# Altium PCB K210_GSM.PcbDoc (part 1 of 2)
Units mil, origin at the board's own origin, x right, y up, seen from the top; angles counter-clockwise.
Board outline 1181.1 x 2884.84 mil, 2 copper layers (Top Layer, Bottom Layer); 74 components, 109 nets, 355 pads, 138 vias.
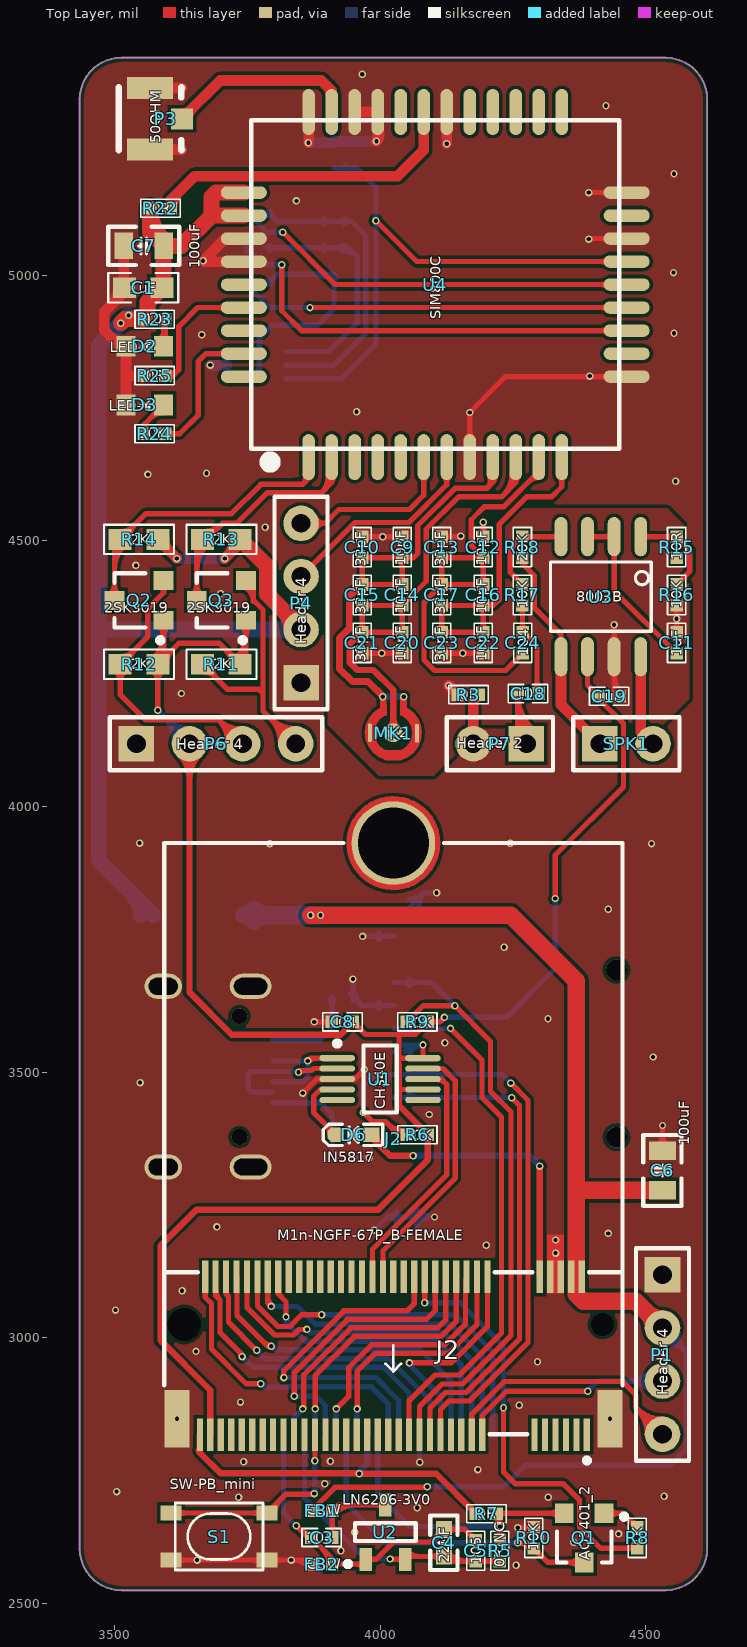
[diagram p0: Top Layer view]
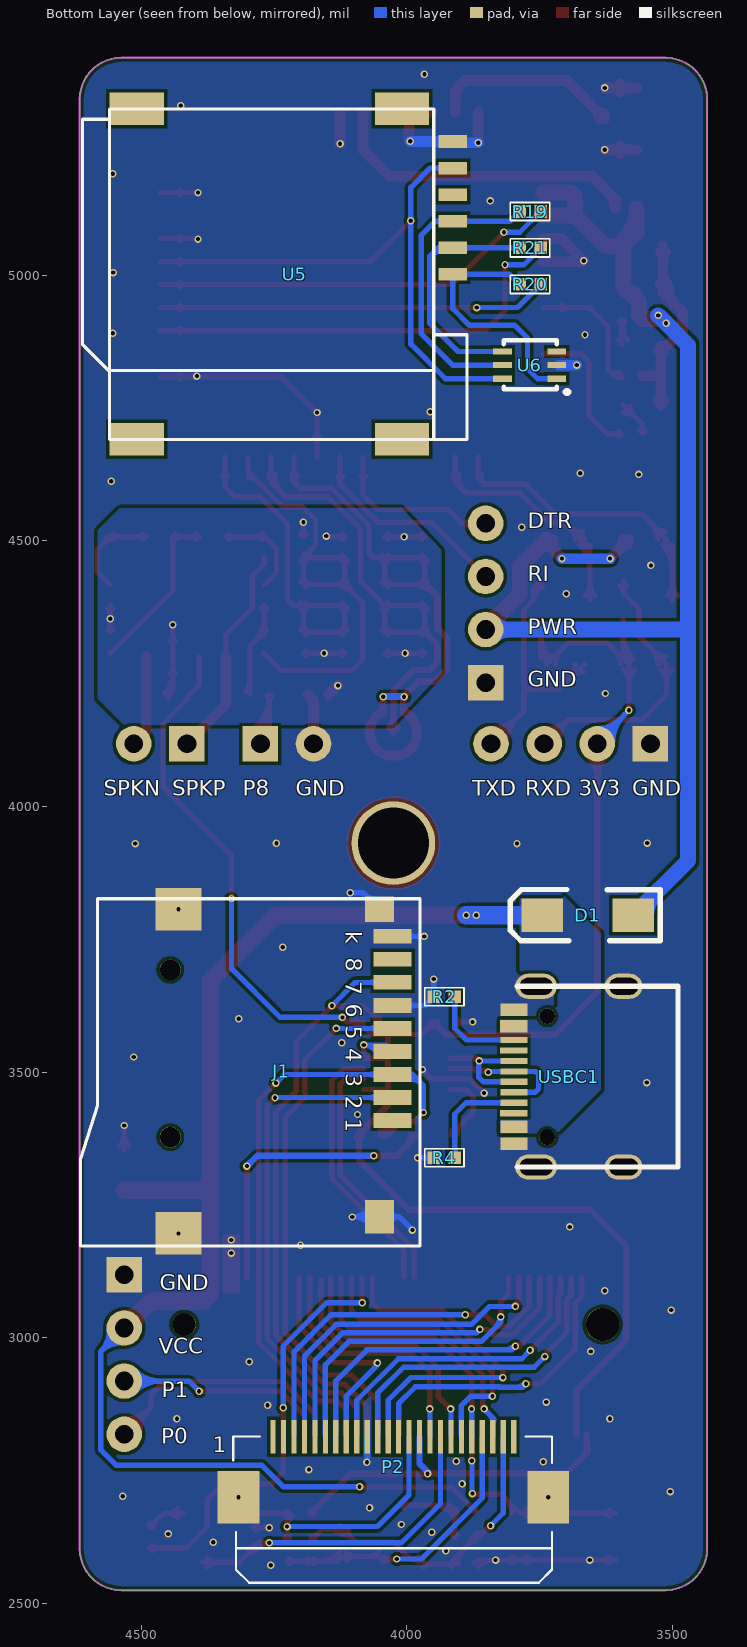
[diagram p1: Bottom Layer view, seen from below]

## Layer stack, top to bottom
Top Layer: signal copper 1.4
Dielectric: dielectric 12.6, FR-4, Dk 4.8
Bottom Layer: signal copper 1.4

## Board outline
3434.45,2603.35 ccw(c3513.19,2603.35) 3513.19,2524.61 4536.81,2524.61 ccw(c4536.81,2603.35) 4615.55,2603.35 4615.55,5330.71 ccw(c4536.81,5330.71) 4536.81,5409.45 3513.19,5409.45 ccw(c3513.19,5330.71) 3434.45,5330.71

## Design rules (kind name [scope] priority, off if disabled: settings)
Clearance [All] p1: gap=6
MinimumSolderMaskSliver [All] p1: minsoldermaskwidth=0
PlaneConnect [All] p1: planeconnectstyle=Direct reliefexpansion=20 reliefentries=4 reliefconductorwidth=10 reliefairgap=10
PolygonConnect [All] p1: connectstyle=Direct reliefconductorwidth=10 reliefentries=4 polygonreliefangle="90 Angle" airgapwidth=10
RoutingVias [All] p1: holewidth=28 width=50 viastyle="Through Hole" minholewidth=28 minwidth=50 maxholewidth=28 maxwidth=50
SilkToSolderMaskClearance [IsPad] p1: minsilkscreentomaskgap=0 clearancetoexposedcopper=TRUE
SolderMaskExpansion [All] p1: expansion=4
Width [All] p1: maxlimit=80 minlimit=10 preferedwidth=10
25 further rules are at their usual default settings.

## Classes and differential pairs
component class K210_Core: C3 C4 C5 C6 C8 D6 FB1 FB2 J1 J2 J3 P1 P2 Q1 R2 R4 R5 R6 R7 R8 R9 R10 S1 U1 U2 USBC1
component class SIM800C: C1 C7 C9 C10 C11 C12 C13 C14 C15 C16 C17 C18 C19 C20 C21 C22 C23 C24 D1 D2 D3 MK1 P3 P4 P6 P7 Q2 Q3 R3 R11 R12 R13 R14 R15 R16 R17 R18 R19 R20 R21 R22 R23 R24 R25 SPK1 U3 U4 U5 U6

## Components (designator, comment, footprint, x,y, rotation, side; value= is the part's Value field where it differs from the comment)
C1 "1uF" C0603-S 3554.2,4976.38 r0 top
C3 "104" 0402C 3890.08,2624.13 r180 top
C4 "22uF" "C 0603_L" 4120.08,2614.13 r90 top
C5 "105" 0402C 4180.08,2599.13 r90 top
C6 "100uF" "C 0805_L" 4531.5,3314.96 r270 top
C7 "100uF" "C 0805_L" 3555.12,5055.12 r0 top
C8 "104" 0402C 3929.13,3594.49 r180 top
C9 "10pF" 0402C 4041.42,4488.07 r90 top
C10 "33pF" 0402C 3966.26,4488.07 r90 top
C11 "1uF" 0402C 4557.91,4308.07 r270 top
C12 "10pF" 0402C 4194.29,4488.07 r90 top
C13 "33pF" 0402C 4116.26,4488.07 r90 top
C14 "10pF" 0402C 4041.42,4398.07 r90 top
C15 "33pF" 0402C 3966.26,4398.07 r90 top
C16 "10pF" 0402C 4194.29,4398.07 r90 top
C17 "33pF" 0402C 4116.26,4398.07 r90 top
C18 "104" 0402C 4278.54,4212.6 r180 top
C19 "1uF" 0402C 4431.1,4207.68 r180 top
C20 "10pF" 0402C 4041.42,4308.07 r90 top
C21 "33pF" 0402C 3966.26,4308.07 r90 top
C22 "10pF" 0402C 4194.29,4308.07 r90 top
C23 "33pF" 0402C 4116.26,4308.07 r90 top
C24 "104" 0402C 4268.7,4308.07 r270 top
D1 "SS34" SMA 3659.06,3795.28 r180 bottom
D2 "LED-G" LED0603 3557.09,4866.14 r180 top
D3 "LED-Y" LED0603 3557.09,4755.65 r180 top
D6 "IN5817" SOD-523 3950,3382.01 r180 top
FB1 "CBW" Inductor_0402 3890.08,2674.13 r0 top
FB2 "CBW" Inductor_0402 3890.08,2574.13 r0 top
J1 "TF_Card" SD_Micro 4445,3535 r270 bottom locked
J2 "M1n-NGFF-67P_B-FEMALE" "M2-67P0R50_B_FEMALE - duplicate" 4025,3025 r180 top locked
MK1 "Mic2" MIC4013贴片咪头 4025,4138.78 r0 top locked
P1 "Header 4" HDR2.54-LI-4P 4531.5,2968.5 r270 top
P2 "CSI_24P" FPC_0.5-24P 4025,2756.89 r180 bottom locked
P3 "50OHM" IPEX 3566.93,5236.22 r90 top
P4 "Header 4" HDR2.54-LI-4P 3851.26,4382.91 r90 top
P6 "Header 4" HDR2.54-LI-4P 3691.26,4118.07 r0 top
P7 "Header 2" HDR2.54-LI-2P 4225.39,4118.07 r180 top
Q1 "AO3401_2" "SOT-23 - P" 4384.13,2623.54 r180 top
Q2 "2SK3019" "SOT-23 - N" 3546.26,4387.76 r90 top
Q3 "2SK3019" "SOT-23 - N" 3701.26,4387.76 r90 top
R2 "5.1K" 0402R 3929.13,3641.73 r180 bottom
R3 "0R" 0402R 4166.34,4210.63 r180 top
R4 "5.1K" 0402R 3929.13,3338.58 r180 bottom
R5 "0R/NC" 0402R 4225.08,2599.13 r90 top
R6 "10K" 0402R 4070,3382.01 r0 top
R7 "0R" 0402R 4200.08,2669.13 r0 top
R8 "1K" 0402R 4484.13,2623.54 r270 top
R9 "10K" 0402R 4070,3594.49 r180 top
R10 "10K" 0402R 4289.13,2623.54 r90 top
R11 "2K" R0603-S 3701.26,4267.76 r0 top
R12 "2K" R0603-S 3546.26,4267.76 r0 top
R13 "2K" R0603-S 3701.26,4502.76 r0 top
R14 "2K" R0603-S 3546.26,4502.76 r0 top
R15 "10R" 0402R 4557.91,4488.07 r270 top
R16 "10K" 0402R 4557.91,4398.07 r90 top
R17 "10K" 0402R 4267.91,4398.07 r270 top
R18 "20K" 0402R 4267.91,4488.07 r270 top
R19 "22R" 0402R 3767.72,5119.82 r180 bottom
R20 "22R" 0402R 3767.72,4982.54 r180 bottom
R21 "22R" 0402R 3767.72,5051.18 r180 bottom
R22 "0R" 0402R 3586.61,5125.98 r180 top
R23 "10K" 0402R 3575.74,4917.32 r0 top
R24 "10K" 0402R 3575.74,4701.54 r180 top
R25 "0R" 0402R 3575.74,4811.02 r180 top
S1 "SW-PB_mini" SW_SMD_3X4 3696.85,2625.98 r0 top
SPK1 "" HDR2.54-LI-2P 4463.58,4118.07 r0 top
U1 "CH340E" MSOP-UN10_N 4000,3487.01 r0 top
U2 "LN6206-3V0" SOT-23-3L 4010.08,2634.13 r270 top
U3 "8002B" SPARK8002 4415.41,4394.9 r180 top
U4 "SIM800C" sim800c 4103.74,4982.28 r90 top locked
U5 "SIM" SIM_MICRO_PUSH 4210.63,5001.97 r270 bottom locked
U6 "SMF05C" SOT-363 3717.52,4805.12 r0 bottom
USBC1 "TYPE-C 3.1 母头 16P" TYPE-C-USB-4 3695,3491.54 r90 bottom locked

## Footprints (in the part's own frame and the unit in brackets; to place one, negate y for a bottom-side part, rotate by r counter-clockwise, add the part's x,y. Pads: shape width x height; smd on the part's side, far side on the other; paste and mask are expansions set on the pad)
0402C [mm]
  rect 0.6x0.6 smd: 1(-0.5,0) 2(0.5,0)
  silkscreen extent -0.94,-0.43 0.94,0.43, body extent -0.5,-0.25 0.5,0.25, height 0.5
0402R [mm]
  rect 0.6x0.6 smd: 1(-0.5,0) 2(0.5,0)
  silkscreen extent -0.94,-0.43 0.94,0.43, body extent -0.5,-0.25 0.5,0.25, height 0.38
C0603-S [mm]
  rect 1.1x1 smd: 1(-0.9,0) 2(0.9,0)
  silkscreen extent -1.67,-0.7 1.68,0.7, body extent -0.8,-0.4 0.8,0.4, height 0.9
"C 0603_L" [mil] "无极性贴片电容"
  rect 30x30 smd: 1(-25.59,0) 2(25.59,0)
  silkscreen extent -51,-26 51,26, body extent -31,-16 31,16, height 32
"C 0805_L" [mil]
  rect 35x50 smd: 1(-37.4,0) 2(37.4,0)
  silkscreen extent -67,-36 67,36, body extent -39,-24 39,24, height 20
FPC_0.5-24P [mm]
  rect 0.25x1.6 smd: 1(-5.75,1.45) 2(-5.25,1.45) 3(-4.75,1.45) 4(-4.25,1.45) 5(-3.75,1.45) 6(-3.25,1.45) 7(-2.75,1.45) 8(-2.25,1.45) 9(-1.75,1.45) 10(-1.25,1.45) 11(-0.75,1.45) 12(-0.25,1.45) 13(0.25,1.45) 14(0.75,1.45) 15(1.25,1.45) 16(1.75,1.45) 17(2.25,1.45) 18(2.75,1.45) 19(3.25,1.45) 20(3.75,1.45) 21(4.25,1.45) 22(4.75,1.45) 23(5.25,1.45) 24(5.75,1.45)
  rect 2x2.5 smd: A(-7.4,-1.45) B(7.4,-1.45)
  silkscreen extent -7.65,-5.54 7.59,1.45, body extent -8.1,-4.2 8.1,1.8, height 2
HDR2.54-LI-2P [mm]
  rect 1.7x1.7 hole 0.9: 1(-1.27,0)
  round 1.7 hole 0.9: 2(1.27,0)
  silkscreen extent -2.54,-1.27 2.54,1.27, body extent -2.54,-1.27 2.54,1.27, height 8.5
HDR2.54-LI-4P [mm] "排针，4脚"
  rect 1.7x1.7 hole 0.9: 1(-3.81,0)
  round 1.7 hole 0.9: 2(-1.27,0) 3(1.27,0) 4(3.81,0)
  silkscreen extent -5.08,-1.27 5.08,1.27, body extent -5.08,-1.27 5.08,1.27, height 8.5
Inductor_0402 [mm]
  rect 0.6x0.6 smd mask+0.051: 1(-0.5,0) 2(0.5,0)
  body extent -0.5,-0.25 0.5,0.25, height 0.38
IPEX [mm]
  rect 1.05x2.2 smd: 1(0,0) 3(2.95,0)
  rect 1x1.05 smd: 2(1.475,-1.525)
  silkscreen extent -0.02,-1.5 2.98,1.5, body extent 0.02,-1.55 3.02,1.55, height 1.25
LED0603 [mm]
  rect 0.9x1 smd: 1(-0.9,0) 2(0.9,0)
  silkscreen extent -0.25,-0.25 0.25,0.25, body extent -0.81,-0.41 0.81,0.39, height 0.6
"M2-67P0R50_B_FEMALE - duplicate" [mm] "M2-67P0R50_B"
  round 4 hole 3.4 mask+0.051: 0(0,-23.012)
  rect 0.3x1.55 smd: 1(-9.25,5.275) 2(-9,-2.275) 3(-8.75,5.275) 4(-8.5,-2.275) 5(-8.25,5.275) 6(-8,-2.275) 7(-7.75,5.275) 8(-7.5,-2.275) 9(-7.25,5.275) 10(-7,-2.275) 11(-6.75,5.275) 20(-4.5,-2.275) 21(-4.25,5.275) 22(-4,-2.275) 23(-3.75,5.275) 24(-3.5,-2.275) 25(-3.25,5.275) 26(-3,-2.275) 27(-2.75,5.275) 28(-2.5,-2.275) 29(-2.25,5.275) 30(-2,-2.275) 31(-1.75,5.275) 32(-1.5,-2.275) 33(-1.25,5.275) 34(-1,-2.275) 35(-0.75,5.275) 36(-0.5,-2.275) 37(-0.25,5.275) 38(0,-2.275) 39(0.25,5.275) 40(0.5,-2.275) 41(0.75,5.275) 42(1,-2.275) 43(1.25,5.275) 44(1.5,-2.275) 45(1.75,5.275) 46(2,-2.275) 47(2.25,5.275) 48(2.5,-2.275) 49(2.75,5.275) 50(3,-2.275) 51(3.25,5.275) 52(3.5,-2.275) 53(3.75,5.275) 54(4,-2.275) 55(4.25,5.275) 56(4.5,-2.275) 57(4.75,5.275) 58(5,-2.275) 59(5.25,5.275) 60(5.5,-2.275) 61(5.75,5.275) 62(6,-2.275) 63(6.25,5.275) 64(6.5,-2.275) 65(6.75,5.275) 66(7,-2.275) 67(7.25,5.275) 68(7.5,-2.275) 69(7.75,5.275) 70(8,-2.275) 71(8.25,5.275) 72(8.5,-2.275) 73(8.75,5.275) 74(9,-2.275) 75(9.25,5.275)
  rect 1.2x2.75 smd: SH1(-10.35,4.5) SH2(10.35,4.5)
  round 0 / inner round 1.524 / far side round 1.1 hole 1.1: ""(-10,0)
  round 0 / inner round 1.524 / far side round 1.6 hole 1.6: ""(10,0)
  Top Layer circle w0.5: c0,-23.012 r2
  Mechanical 7 keep-out lines w0.025: 10.991,-2.012 10.417,-2.012 cw(c10.417,-1.512) 9.916,-1.512 9.916,1.978 -5.014,1.978 -5.014,-0.915 cw(c-5.616,-0.915) -5.616,-1.517 cw(c-5.616,-0.918) -6.215,-0.918 -6.215,1.978 -9.916,1.978 -9.916,-1.512 cw(c-10.417,-1.512) -10.417,-2.012 -10.991,-2.012 -10.991,-23.012 -1.5,-23.012 cw(c0,-23.012) 1.5,-23.012 10.991,-23.012 10.991,-2.012
  silkscreen extent -10.95,-23.01 10.95,6.62, body extent -10.95,-23.14 11.03,5.85, height 5.5
MIC4013贴片咪头 [mm] "贴片咪头4*1.3MM"
  oval 0.2x0.9 smd: 1(-1.125,0) 1(1.125,-0.025)
  round 0.9 smd: 2(0,0)
  Top Layer region: -0.322,0.841 -0.322,0.841 -0.454,0.786 -0.642,0.642 -0.786,0.454 -0.877,0.235 -0.908,0 -0.877,-0.235 -0.786,-0.454 -0.642,-0.642 -0.454,-0.786 -0.322,-0.841 -0.322,-1.311 -0.323,-1.319 -0.352,-1.315 -0.681,-1.179 -0.963,-0.963 -1.179,-0.681 -1.315,-0.352 -1.362,0 -1.315,0.352 -1.179,0.681 -0.963,0.963 -0.681,1.179 -0.352,1.315 -0.323,1.319
  Top Layer region: 0.352,1.315 0.681,1.179 0.963,0.963 1.179,0.681 1.315,0.352 1.362,0 1.315,-0.352 1.179,-0.681 0.963,-0.963 0.681,-1.179 0.352,-1.315 0.323,-1.319 0.322,-0.841 0.322,-0.841 0.454,-0.786 0.642,-0.642 0.786,-0.454 0.877,-0.235 0.908,0 0.877,0.235 0.786,0.454 0.642,0.642 0.454,0.786 0.322,0.841 0.322,1.311 0.323,1.319
  body extent -1.98,-2 2,2, height 1.5
MSOP-UN10_N [mm] "TSSOP"
  oval 1.7x0.3 smd: 1(-2.05,1) 2(-2.05,0.5) 3(-2.05,0) 4(-2.05,-0.5) 5(-2.05,-1) 6(2.05,-1) 7(2.05,-0.5) 8(2.05,0) 9(2.05,0.5) 10(2.05,1)
  silkscreen extent -2.17,-1.6 0.8,1.82, body extent -1.6,-1.6 1.6,1.6, height 1.1
R0603-S [mm]
  rect 1.1x1 smd: 1(-0.9,0) 2(0.9,0)
  silkscreen extent -1.68,-0.7 1.68,0.7, body extent -0.75,-0.41 0.75,0.39, height 0.63
SD_Micro [mm]
  round 1 hole 1 unplated: 0(-4,0) 0(4,0)
  rect 0.7x1.8 smd: 1(3.2,10.627) 2(2.1,10.627) 3(1,10.627) 4(-0.1,10.627) 5(-1.2,10.627) 6(-2.3,10.627) 7(-3.4,10.627) 8(-4.5,10.627) 9(-5.6,10.627)
  rect 2.032x2.2 smd: 10(-6.9,0.4) 10(8.6,0.4)
  rect 1.2x1.4 smd: 10(-6.9,10)
  rect 1.6x1.4 smd: 10(7.8,10)
  silkscreen extent -7.4,-4.28 9.2,11.94, body extent -7.05,-4 8.95,11.25, height 2
sim800c [mm]
  oval 2.2x0.6 smd: 1(-8.25,6.05) 2(-8.25,4.95) 3(-8.25,3.85) 4(-8.25,2.75) 5(-8.25,1.65) 6(-8.25,0.55) 7(-8.25,-0.55) 8(-8.25,-1.65) 9(-8.25,-2.75) 10(-8.25,-3.85) 11(-8.25,-4.95) 12(-8.25,-6.05) 22(8.25,-6.05) 23(8.25,-4.95) 24(8.25,-3.85) 25(8.25,-2.75) 26(8.25,-1.65) 27(8.25,-0.55) 28(8.25,0.55) 29(8.25,1.65) 30(8.25,2.75) 31(8.25,3.85) 32(8.25,4.95) 33(8.25,6.05)
  oval 0.6x2.2 smd: 13(-4.4,-9.15) 14(-3.3,-9.15) 15(-2.2,-9.15) 16(-1.1,-9.15) 17(0,-9.15) 18(1.1,-9.15) 19(2.2,-9.15) 20(3.3,-9.15) 21(4.4,-9.15) 34(4.4,9.15) 35(3.3,9.15) 36(2.2,9.15) 37(1.1,9.15) 38(0,9.15) 39(-1.1,9.15) 40(-2.2,9.15) 41(-3.3,9.15) 42(-4.4,9.15)
  silkscreen extent -8.74,-8.8 7.85,8.8
SIM_MICRO_PUSH [mm]
  rect 1.55x2.6 smd: 0(-7.9,-7.552) 0(-7.9,5.128) 0(7.9,-7.552) 0(7.9,5.128)
  rect 0.6x1.35 smd: 1(-1.26,7.552) 2(-3.8,7.552) 3(-6.34,7.552) 4(0.01,7.552) 5(-2.53,7.552) 6(-5.07,7.552)
  silkscreen extent -7.9,-10.14 7.9,8.23
SMA [mm]
  rect 2x1.6 smd: 1(2.175,0) 2(-2.175,0)
  silkscreen extent -3.71,-1.22 3.46,1.23, body extent -2.72,-1.4 2.77,1.4, height 2.44
SOD-523 [mm] "1.2x0.8X0.6mm（长宽高，不包括引脚）"
  rect 0.8x0.7 smd: 1(-0.85,0)
  oct 0.8x0.7 smd: 2(0.85,0)
  silkscreen extent -1.4,-0.51 1.45,0.51, body extent -0.8,-0.4 0.8,0.4, height 0.65
"SOT-23 - N" [mm]
  rect 0.9x0.95 smd: D(0,1.175) G(-0.95,-1.175) S(0.95,-1.175)
  silkscreen extent -2.03,-1.14 1.3,1.18, body extent -1.5,-1.2 1.5,1.2, height 1.05
"SOT-23 - P" [mm]
  rect 0.9x0.95 smd: D(0,1.175) G(-0.95,-1.175) S(0.95,-1.175)
  silkscreen extent -2.03,-1.14 1.3,1.18, body extent -1.5,-1.2 1.5,1.2, height 1.05
SOT-23-3L [mm]
  rect 1.1x0.6 smd: 1(1.3,-0.95) 2(1.3,0.95) 3(-1.3,0)
  silkscreen extent -0.43,-1.92 1.64,1.45, body extent -1.5,-1.5 1.5,1.5, height 1
SOT-363 [mm] "SOT-363"
  rect 0.9x0.3 smd: 1(0,0) 2(0,-0.65) 3(0,-1.3) 4(2.6,-1.3) 5(2.6,-0.65) 6(2.6,0)
  silkscreen extent -0.51,-1.84 2.54,0.64
SPARK8002 [mil]
  oval 24x74 smd: 1(-75,-113) 2(-25,-113) 3(25,-113) 4(75,-113) 5(75,113) 6(25,113) 7(-25,113) 8(-75,113)
  silkscreen extent -95,-65 95,65, body extent -95,-118 95,118, height 67
SW_SMD_3X4 [mm] "微动开关"
  rect 1x0.7 smd: 1(-2.3,1.125) 1(2.3,1.125) 2(-2.3,-1.125) 2(2.3,-1.125)
  silkscreen extent -2.1,-1.6 2.1,1.6, body extent -2.1,-1.6 2.1,1.6, height 2.55
TYPE-C-USB-4 [mm]
  oval 1.2x1.8 hole 0.8 slot 1.4 at 90 deg: 0(-4.32,-2.624) 0(4.32,-2.624)
  oval 1.2x2 hole 0.8 slot 1.6 at 90 deg: 0(-4.32,1.556) 0(4.32,1.556)
  rect 0.3x1.3 smd: A1(-3.35,2.623) A4(-2.55,2.623) A5(-1.25,2.623) A6(-0.25,2.623) A7(0.25,2.623) A8(-1.75,2.624) A9(2.55,2.623) A12(3.35,2.623) B1(3.05,2.623) B4(2.25,2.623) B5(1.75,2.623) B6(0.75,2.623) B7(-0.75,2.623) B8(1.25,2.624) B9(-2.25,2.623) B12(-3.05,2.623)
  round 0.75 hole 0.75 unplated: ""(-2.89,1.026) ""(2.89,1.026)
  silkscreen extent -4.32,-5.23 4.32,2.47, body extent -4.47,-5.14 4.47,2.76, height 3.25

## Part data
C1 C3 C4 C5 C6 C7 C8: library part CAP_4, "Capacitor"
C9 C10 C11 C12 C13 C14 C15 C16 C17 C19 C20 C21 C22 C23: library part "0603 1uF (105) 10% 50V", "贴片电容"
C18 C24: library part "0603 100nF (104) 10% 50V", "贴片电容"
D1 D6: library part Diode_1, "通用二极管"
D2 D3: library part LED-SMD, "贴片LED"
FB1 FB2: library part CBW100505U601T, "大电流磁珠0402 600R 200MA 25%原装"
J1: "TF卡座"
MK1: "Microphone"
P1 P4 P6 P7: "接插件"
P2: library part FPC-DVP-24P_0, "DVP Carmera"
P3: library part IPEX, "RF Coaxial PCB Connector, MCX; Thru-Hole, Right-Angle Mount Socket, Blunt Post Terminal, 50 Ohm Impedance"
Q1: "P沟场效应管"
Q2 Q3: library part MOSFET-N, "N-Channel MOSFET"
R2 R4 R5 R6 R7 R8 R9 R10: library part RES_1, "Resistor"
R3 R22 R23 R24 R25: library part "0603 1KΩ (1001) 1%", "贴片电阻"
R11 R12 R13 R14: library part RES, "贴片电阻 1%"
R15 R17: library part "0603 7.5KΩ (7501) 1%", "贴片电阻"
R16: library part "0603 10KΩ (1002) 1%", "贴片电阻"
R18: library part "0603 33KΩ (3302) 1%", "贴片电阻"
R19 R20 R21: library part Res, "厚声0603WAF1002T5E"
S1: "微动开关"
SPK1: library part SPEAKER
U1: "USB to TTL Serial / UART"
U2: library part LN6206, "低功耗CMOS稳压器"
U3: library part 80028
U4: "SICOM SIM800C"
U5: "博信微电子元件专营 小卡6P MICRO SIM 6P自弹 手机SIM卡座 卡座 自弹 PUSH SIM小卡"
U6: "TVS"
USBC1: library part "TYPE-C 3.1 ĸͷ 16P"

## Via types
v1: diameter 14, hole 8, Top Layer to Bottom Layer, 138 vias

## Nets (pads, with @x,y where several pads share a name; then routed paths per layer and width w, separated by ;. In a path a pad name is that pad's centre, name@x,y a point inside that pad or via, vN(x,y) a via of type N, cw(c..) or ccw(c..) an arc to the next point about the centre after c; other vN are vias at no path point)
1V8: J2.75 P2.15 R7.1 | length 718.4
  Top Layer w12: J2.75@3660.76,2792.78 ccw(c3665.44,2788.24) 3660.83,2783.62 ; J2.75@3660.83,2817.32 3660.83,2783.62 ; R7.1@4174.58,2669.13 ccw(c4160.55,2669.13) 4170.47,2679.05 ccw(c4180.39,2688.97) R7.1@4180.39,2674.95 ; R7.1@4180.39,2669.13 4105.43,2744.09 v1(3960.63,2744.09) 3959.94,2744.78 3699.67,2744.78 3660.83,2783.62
  Bottom Layer w12: v1(3960.63,2744.09) 3960.63,2748.03 3975.79,2763.19 P2.15@3975.79,2813.98 ; v1@3961.63,2744.09 cw(c3973.55,2744.09) 3965.12,2752.52
3V3: C8.1 C19.2 J1.4 J2.73 P6.2 Q2.G Q3.G R6.2 R9.1 R11.2 R12.2 U1.7 U1.10 U3.6 | length 4820.1
  Top Layer w10: R12.2@3571.31,4257.37 cw(c3546.24,4232.3) 3581.69,4232.3 cw(c3617.15,4232.3) R12.2@3592.08,4257.37 ; R12.2@3573.28,4278.14 ccw(c3526.82,4324.6) 3592.52,4324.6 ; R12.2@3580.35,4271.07 ccw(c3550.97,4300.45) 3592.52,4300.45 ; v1(3581.69,4181.1) R12.2@3581.69,4267.76 R12.2@3592.52,4278.58 ; Q2.G@3583.53,4341.36 cw(c3561.82,4319.66) 3592.52,4319.66 cw(c3623.22,4319.66) Q2.G@3601.51,4341.36 ; R12.2@3583.66,4282.44 ccw(c3583.66,4313.14) 3605.37,4291.43 ; Q2.G@3592.52,4350.36 R12.2@3592.52,4278.58 ; R12.2@3598.35,4267.76 cw(c3638.55,4267.76) 3610.12,4296.19 ; 3708.26,4296.19 cw(c3679.83,4267.76) R11.2@3720.04,4267.76 ; 3713.02,4291.43 ccw(c3734.72,4313.14) R11.2@3734.72,4282.44 ; R11.2@3728.28,4278.14 ccw(c3681.82,4324.59) 3747.52,4324.59 ; R11.2@3735.35,4271.07 ccw(c3705.97,4300.45) 3747.52,4300.45 ; R11.2@3736.69,4267.76 3697.36,4307.09 3621.02,4307.09 R12.2@3592.52,4278.58 ; Q3.G@3738.53,4341.36 cw(c3716.82,4319.65) 3747.52,4319.65 cw(c3778.22,4319.65) Q3.G@3756.51,4341.36 ; R11.2@3747.52,4278.58 Q3.G@3747.52,4350.35 ; C8.1@3948.82,3587.68 cw(c3948.82,3571.23) 3960.45,3582.86 cw(c3972.07,3594.49) C8.1@3955.63,3594.49 ; C8.1@3948.82,3594.49 3972.44,3570.87 4035.43,3570.87 ; 4036.61,3526.38 U1.10@4080.71,3526.38 v1(4080.71,3551.18) ; U1.7@4080.71,3467.32 4035.43,3467.32 4035.43,3514.49 4035.43,3570.87 ; R9.1@4082.87,3594.49 cw(c4066.43,3594.49) 4078.06,3582.86 cw(c4089.68,3571.23) R9.1@4089.68,3587.68 ; R9.1@4094.5,3589.67 cw(c4106.13,3578.04) 4106.13,3594.49 cw(c4106.13,3610.93) R9.1@4094.5,3599.3 ; v1(4121,3603.02) 4112.47,3594.49 R9.1@4089.68,3594.49 4066.06,3570.87 4035.43,3570.87 ; v1(4329.72,3826.77) 4329.72,3908.71 4458.05,4037.03 4458.05,4156.09 4411.42,4202.72 C19.2@4411.42,4207.68 4390.41,4228.68 U3.6@4390.41,4281.9
  Top Layer w12: P6.2@3621.84,4098.65 cw(c3574.95,4051.77) 3641.26,4051.77 cw(c3707.57,4051.77) P6.2@3660.68,4098.65 ; P6.2@3630.32,4107.14 cw(c3603.93,4080.74) 3641.26,4080.74 cw(c3678.59,4080.74) P6.2@3652.19,4107.14 ; P6.2@3641.26,4118.07 3641.26,3650.08 3720.66,3570.68 3926.23,3570.68 3948.82,3593.26 C8.1@3948.82,3594.49 ; J2.73@3680.51,2817.32 3680.51,2901.18 3586.61,2995.08 3586.61,3173.23 3654.53,3241.14 3996.06,3241.14 4089.69,3334.76 R6.2@4089.69,3382.01 4089.69,3383.23 4035.24,3437.67 4035.24,3514.3 4035.43,3514.49 ; 3938.03,3582.48 ccw(c3926.03,3594.49) C8.1@3943.01,3594.49 ; C8.1@3940.99,3585.43 cw(c3948.82,3577.6) C8.1@3948.82,3588.68 ; 4078.9,3394.01 cw(c4066.89,3382.01) R6.2@4083.87,3382.01 ; R6.2@4081.85,3391.06 ccw(c4089.69,3398.9) R6.2@4089.69,3387.82 ; R6.2@4085.58,3377.9 cw(c4075.66,3367.98) 4089.69,3367.98 cw(c4103.71,3367.98) R6.2@4093.79,3377.9
  Bottom Layer w10: v1(3581.69,4181.1) 3621.02,4141.77 P6.2@3621.02,4138.31 ; 3590.22,4172.58 cw(c3535.71,4118.07) P6.2@3612.8,4118.07 ; 3598.58,4164.21 ccw(c3641.26,4206.89) P6.2@3641.26,4146.54 ; 3607.29,4155.51 cw(c3569.85,4118.07) P6.2@3622.8,4118.07 ; 3615.65,4147.14 ccw(c3641.26,4172.75) P6.2@3641.26,4136.54 ; J1.4@4026.61,3538.94 4038.86,3551.18 v1(4080.71,3551.18) ccw(c4080.71,3524.42) J1.4@4056.28,3535.35 ; J1.4@4047.15,3539.44 cw(c4065.28,3531.33) 4065.28,3551.18 ; v1(4121,3603.02) 4237.86,3603.02 4329.72,3694.88 v1(4329.72,3826.77)
AGND: C3.2 C4.2 C5.2 FB2.2 P2.23 U2.1 | length 870.6
  Top Layer w10: v1(3842.03,2646.16) 3864.06,2624.13 C3.2@3870.39,2624.13 3909.76,2584.76 FB2.2@3909.76,2574.13 U2.1@3963.86,2574.13 ; v1@3843.96,2646.68 ccw(c3855.77,2649.84) 3849.66,2639.25 ; v1@3843.98,2646.57 ccw(c3854.31,2648.75) 3849.03,2639.61 ; 3847.95,2640.24 ccw(c3870.39,2662.68) C3.2@3870.39,2630.94 ; C3.2@3870.39,2617.32 cw(c3870.39,2600.88) 3882.02,2612.51 cw(c3893.64,2624.13) C3.2@3877.2,2624.13 ; 3890.62,2603.9 cw(c3860.85,2574.13) FB2.2@3902.95,2574.13 ; 3907.69,2586.83 cw(c3894.99,2574.13) FB2.2@3912.95,2574.13 ; FB2.2@3914.58,2569.32 cw(c3926.2,2557.69) 3926.2,2574.13 cw(c3926.2,2590.58) FB2.2@3914.58,2578.95 ; 3953.76,2574.13 cw(c3953.76,2554.19) U2.1@3967.86,2568.29 ; 3958.7,2574.13 ccw(c3958.7,2587.08) U2.1@3967.86,2577.93 ; U2.1@3972.67,2582.95 3992.54,2582.95 4025.19,2615.61 4095.96,2615.61 C4.2@4120.08,2639.72 4159.17,2639.72 C5.2@4180.07,2618.82 ; U2.1@3977.49,2578.14 cw(c3989.12,2566.51) 3989.12,2582.95 cw(c3989.12,2599.4) U2.1@3977.49,2587.77 ; C4.2@4110.08,2639.72 cw(c4085.94,2639.72) 4103.01,2622.65 cw(c4120.08,2605.58) C4.2@4120.08,2629.72 ; C4.2@4127.15,2632.65 cw(c4144.22,2615.58) 4144.22,2639.72 cw(c4144.22,2663.86) C4.2@4127.15,2646.79 ; C5.2@4173.26,2618.82 ccw(c4156.82,2618.82) 4168.45,2630.45 ccw(c4180.07,2642.07) C5.2@4180.07,2625.63
  Bottom Layer w10: P2.23@3818.31,2813.98 3818.31,2669.88 v1(3842.03,2646.16)
AIN1: J2.63
AIN2: J2.65
BEEP: J2.47
BIN1: J2.69
BIN2: J2.67
BOOT: J2.53 S1.1 | length 499.2
  Top Layer w10: S1.1@3606.3,2670.28 S1.1@3787.4,2670.28 3822.83,2705.71 3875.06,2705.71 v1(3876.17,2706.82) ; S1.1@3618.41,2664.07 cw(c3633.4,2649.08) 3633.4,2670.28 cw(c3633.4,2691.47) S1.1@3618.41,2676.48 ; S1.1@3775.29,2664.07 ccw(c3760.3,2649.08) 3760.3,2670.28 ccw(c3760.3,2691.47) S1.1@3775.29,2676.48 ; S1.1@3802.09,2670.28 cw(c3837.54,2670.28) 3812.47,2695.34 ; 3868.65,2705.71 ccw(c3868.65,2714.35) v1@3874.76,2708.24 ; v1@3877.36,2766.15 v1(3877.36,2768.7) J2.53@3877.36,2817.32
  Bottom Layer w10: v1(3876.17,2706.82) 3876.97,2707.62 v1@3876.97,2768.31
CC1: R4.2 USBC1.A5 | length 228.4
  Bottom Layer w10: USBC1.A5@3798.27,3442.33 3888.38,3442.33 3909.45,3421.26 R4.2@3909.45,3338.58 ; R4.2@3904.63,3343.4 ccw(c3893.01,3355.03) 3909.45,3355.03 ccw(c3925.89,3355.03) R4.2@3914.26,3343.4
CC2: R2.2 USBC1.B5 | length 205.3
  Bottom Layer w10: USBC1.B5@3798.27,3560.44 3887.21,3560.44 3909.45,3582.68 R2.2@3909.45,3641.73 ; R2.2@3904.63,3636.92 cw(c3893.01,3625.29) 3909.45,3625.29 cw(c3925.89,3625.29) R2.2@3914.26,3636.92
CMOS-3V0: C4.1 C5.1 P2.21 R5.1 U2.2 | length 769.1
  Top Layer w10: v1@4019.41,2582.95 U2.2@4047.48,2582.95 4053.07,2588.54 C4.1@4120.08,2588.54 ; U2.2@4042.66,2578.14 ccw(c4031.03,2566.51) 4031.03,2582.95 ccw(c4031.03,2599.4) U2.2@4042.66,2587.77 ; U2.2@4052.29,2597.61 ccw(c4074.19,2619.51) 4074.19,2588.54 ; C4.1@4113.01,2581.47 ccw(c4095.94,2564.4) 4095.94,2588.54 ccw(c4095.94,2612.68) C4.1@4113.01,2595.61 ; C4.1@4127.15,2595.61 ccw(c4166.17,2634.63) 4166.17,2579.45 ; 4142.03,2579.45 cw(c4142.03,2610.49) C4.1@4120.08,2588.54 ; C5.1@4175.26,2574.63 ccw(c4163.63,2563.01) 4163.63,2579.45 ccw(c4163.63,2595.89) C5.1@4175.26,2584.27 ; C5.1@4184.89,2574.63 cw(c4196.52,2563.01) 4196.52,2579.45 cw(c4196.52,2595.89) C5.1@4184.89,2584.27 ; R5.1@4220.26,2574.63 ccw(c4208.63,2563.01) 4208.63,2579.45 ccw(c4208.63,2595.89) R5.1@4220.26,2584.27 ; R5.1@4225.08,2579.45 C5.1@4180.07,2579.45 4129.17,2579.45 C4.1@4120.08,2588.54
  Bottom Layer w10: P2.21@3857.68,2813.98 3857.68,2698.43 3972.44,2583.66 v1(4018.7,2583.66)
DM-: U1.2 USBC1.A7 USBC1.B7 | length 268.9
  Top Layer w10: v1(3846.46,3500) 3849.52,3503.07 3871.04,3503.07 3874.67,3506.69 U1.2@3919.29,3506.69 ; v1@3847.87,3498.59 cw(c3858.69,3487.77) 3858.69,3503.07
  Bottom Layer w10: USBC1.B7@3798.27,3462.01 3758.47,3462.01 3751.97,3468.5 3751.97,3496.06 3757.28,3501.38 USBC1.A7@3798.27,3501.38 3845.08,3501.38 v1(3846.46,3500) ; 3838.31,3501.38 cw(c3838.31,3491.85) v1@3845.04,3498.59
DOVDD: P2.14 Q1.S R5.2 R7.2 | length 665.3
  Top Layer w10: R7.2@4215.54,2663.79 cw(c4200.01,2644.12) v1@4225.08,2644.12 ; R7.2@4219.76,2669.13 4225.08,2663.82 v1(4225.08,2644.68) R5.2@4225.08,2618.82 ; R5.2@4220.26,2623.64 ccw(c4208.63,2635.26) 4225.08,2635.26 ccw(c4241.52,2635.26) R5.2@4229.89,2623.64 ; R7.2@4220.43,2669.8 Q1.S@4346.73,2669.8 ; R7.2@4224.58,2664.32 cw(c4237.82,2651.08) 4237.82,2669.8 ; R7.2@4224.58,2673.95 ccw(c4234.59,2683.96) 4234.59,2669.8 ; Q1.S@4337.74,2660.81 ccw(c4316.03,2639.1) 4316.03,2669.8 ccw(c4316.03,2700.5) Q1.S@4337.74,2678.8
  Bottom Layer w10: P2.14@3995.47,2813.98 3995.47,2704.33 4055.12,2644.68 v1(4225.08,2644.68)
DP+: U1.1 USBC1.A6 USBC1.B6 | length 242
  Top Layer w10: v1(3863.59,3521.07) 3868.9,3526.38 U1.1@3919.29,3526.38 ; v1@3865,3519.65 cw(c3881.24,3503.41) 3881.24,3526.38
  Bottom Layer w10: USBC1.A6@3798.27,3481.7 3855.71,3481.7 3864.46,3490.44 3864.46,3520.19 v1(3863.59,3521.07) USBC1.B6@3798.27,3521.07
DVP_D0: J2.60 P2.6 | length 608.3
  Top Layer w10: J2.60@3808.47,3114.57 3808.47,3082.28 3822.83,3067.91 v1(3822.83,3039.37)
  Bottom Layer w10: v1(3822.83,3039.37) 3822.83,3029.66 3859.19,2993.31 4108.77,2993.31 4152.95,2949.13 P2.6@4152.95,2817.32 ; v1@3824.83,3039.37 ccw(c3853.1,3039.37) 3833.11,3019.38
DVP_D1: J2.62 P2.4 | length 663.3
  Top Layer w10: 3788.78,3079.57 ccw(c3815.79,3079.57) v1@3796.69,3060.47 ; J2.62@3788.78,3114.57 3788.78,3065.55 v1(3795.28,3059.06)
  Bottom Layer w10: v1(3795.28,3059.06) 3844.35,3059.06 3878.1,3025.31 4132.45,3025.31 4192.32,2965.43 P2.4@4192.32,2817.32
DVP_D2: J2.64 P2.3 | length 707.8
  Top Layer w10: J2.64@3769.09,3114.57 3769.09,3059.78 3807.5,3021.37 3830.29,3021.37 3852.23,3043.31 v1(3889.76,3043.31)
  Bottom Layer w10: v1(3889.76,3043.31) 4142.29,3043.31 4212.01,2973.59 P2.3@4212.01,2817.32
DVP_D3: J2.66 P2.5 | length 670.7
  Top Layer w10: J2.66@3749.41,3114.57 3749.41,3056.84 3800.88,3005.37 3836.92,3005.37 3847.3,3015.75 v1(3862.2,3015.75)
  Bottom Layer w10: v1(3862.2,3015.75) 3868.65,3009.31 4120.61,3009.31 4172.64,2957.28 P2.5@4172.64,2817.32
DVP_D4: J2.68 P2.7 | length 667.3
  Top Layer w10: J2.68@3729.72,3114.57 3730.7,3113.59 3730.7,3041.95 3788.4,2984.25 v1(3795.27,2984.25) ; 3780.13,2992.52 ccw(c3795.27,3007.65) v1@3795.27,2986.25
  Bottom Layer w10: v1(3795.27,2984.25) 3802.21,2977.31 4074.86,2977.31 4133.27,2918.9 P2.7@4133.27,2817.32 ; v1@3796.68,2985.66 ccw(c3816.85,3005.83) 3816.85,2977.31
DVP_D5: J2.70 P2.9 | length 605.6
  Top Layer w10: J2.70@3710.04,3114.57 3710.04,3082.28 3714.7,3077.62 ; J2.70@3710.93,3089.79 ccw(c3724.37,3087.28) 3714.7,3077.62 ; v1(3767.72,2976.38) 3714.7,3029.39 3714.7,3077.62
  Bottom Layer w10: v1(3767.72,2976.38) 3783.46,2960.63 4015.75,2960.63 4093.9,2882.48 P2.9@4093.9,2817.32
DVP_D6: J2.72 P2.11 | length 624.4
  Top Layer w10: J2.72@3690.35,3114.57 3690.35,3079.34 3698.7,3070.99 ; J2.72@3691.26,3089.93 ccw(c3716.7,3089) 3698.7,3070.99 ; 3733.96,2974.7 cw(c3723.82,2964.57) v1@3738.16,2964.57 ; v1(3740.16,2964.57) 3740.16,2968.5 3698.7,3009.96 3698.7,3070.99
  Bottom Layer w10: v1(3740.16,2964.57) 3760.09,2944.63 4006.14,2944.63 4054.53,2896.24 P2.11@4054.53,2817.32
DVP_D7: J2.74 P2.13 | length 595.6
  Top Layer w10: J2.74@3670.67,3114.57 3670.67,3076.39 3682.7,3064.36 3682.7,2978.72 3748.03,2913.39 v1(3775.59,2913.39)
  Bottom Layer w10: v1(3775.59,2913.39) 3781.78,2907.2 3826.35,2907.2 3826.92,2907.76 3983.83,2907.76 4015.16,2876.44 P2.13@4015.16,2817.32 ; v1@3777,2914.8 ccw(c3795.36,2933.16) 3795.36,2907.2
DVP_HSYNC: J2.22 P2.16 | length 474.2
  Top Layer w10: v1(3956.69,2866.14) 3956.69,2937.01 3990.44,2970.76 4128.2,2970.76 4182.48,3025.03 J2.22@4182.48,3114.57
  Bottom Layer w10: P2.16@3956.1,2813.98 v1@3956.1,2865.55
DVP_PCLK: J2.20 P2.8 | length 439.8
  Top Layer w10: v1(4055.12,2952.76) 4133.86,2952.76 4202.16,3021.06 J2.20@4202.16,3114.57
  Bottom Layer w10: v1(4055.12,2952.76) 4055.12,2948.82 4113.58,2890.35 P2.8@4113.58,2817.32 ; v1@4057.12,2952.76 ccw(c4071.45,2952.76) 4061.32,2942.62
DVP_PWDN: J2.32 R8.2 | length 835.3
  Top Layer w10: v1@4084.05,3065.94 J2.32@4084.05,3114.57 ; v1(4232.28,2868.11) 4232.28,2747.05 4253.94,2725.39 4344.49,2725.39 4375.45,2694.43 4375.45,2643.25 4414.84,2603.86 R8.2@4484.13,2603.86 ; R8.2@4479.32,2599.04 ccw(c4467.69,2587.41) 4467.69,2603.86 ccw(c4467.69,2620.3) R8.2@4479.32,2608.67
  Bottom Layer w10: v1(4083.66,3065.94) 4150.59,3065.94 4232.28,2984.25 v1(4232.28,2868.11)
DVP_PWDN#: P2.17 Q1.D R10.1 | length 741.6
  Top Layer w10: 4276.54,2614.17 cw(c4276.54,2596.29) R10.1@4291.87,2605.5 ; R10.1@4283.3,2600.35 ccw(c4258.86,2585.66) v1(4258.86,2614.17) 4278.82,2614.17 R10.1@4289.13,2603.86 4315.71,2577.28 Q1.D@4384.13,2577.28 ; R10.1@4289.13,2597.05 cw(c4289.13,2580.6) 4300.76,2592.23 cw(c4312.39,2603.86) R10.1@4295.94,2603.86 ; Q1.D@4375.14,2568.29 ccw(c4353.43,2546.58) 4353.43,2577.28 ccw(c4353.43,2607.98) Q1.D@4375.14,2586.28
  Bottom Layer w10: P2.17@3936.42,2813.98 3936.42,2687.6 4009.84,2614.17 v1(4258.86,2614.17)
DVP_RST: J2.30 P2.19 | length 542.5
  Top Layer w10: v1(3838.58,2889.76) 3838.58,2935.02 3938.32,3034.76 4086.92,3034.76 4103.74,3051.57 J2.30@4103.74,3114.57
  Bottom Layer w10: v1(3838.58,2889.76) 3879.79,2889.76 3897.05,2872.5 P2.19@3897.05,2817.32
DVP_SCL: J2.26 P2.20 | length 506.3
  Top Layer w10: v1@3877.78,2866.31 3877.78,2928.96 3951.57,3002.76 4114.95,3002.76 4143.11,3030.92 J2.26@4143.11,3114.57
  Bottom Layer w10: P2.20@3877.36,2813.98 3877.36,2861.61 3877.95,2862.2 v1(3877.95,2866.14)
DVP_SDA: J2.28 P2.22 | length 548.9
  Top Layer w10: v1@3852.91,2867.55 ccw(c3844.04,2876.42) 3856.58,2876.42 ; v1@3856.58,2868.4 3856.58,2930.39 3944.95,3018.76 4108.32,3018.76 4123.43,3033.86 J2.28@4123.43,3114.57
  Bottom Layer w10: P2.22@3837.91,2840.55 cw(c3860.06,2840.55) 3844.4,2856.21 ; P2.22@3837.94,2840.5 cw(c3842.67,2845.12) 3837.99,2849.8 ; P2.22@3837.99,2813.98 3837.99,2849.8 ; v1(3854.32,2866.14) 3837.99,2849.8
DVP_VSYNC: J2.24 P2.18 | length 481
  Top Layer w10: v1(3917.32,2866.14) 3940.69,2889.51 3940.69,2943.64 3983.81,2986.76 4121.58,2986.76 4160.59,3025.77 J2.24@4160.59,3109.26 ; 4160.59,3082.46 cw(c4170.29,3082.46) J2.24@4163.44,3089.32
  Bottom Layer w10: P2.18@3916.73,2817.32 v1@3916.73,2866.14
DVP_XCLK: J2.34 P2.12 | length 659.6
  Top Layer w10: v1(3818.9,2925.2) 3818.9,2937.96 3931.69,3050.76 4050.76,3050.76 4064.37,3064.37 J2.34@4064.37,3114.57
  Bottom Layer w10: v1(3818.9,2925.2) 3992.13,2925.2 4034.84,2882.48 P2.12@4034.84,2817.32